# Altium PCB DAW500LCB.PcbDoc (part 1 of 3) (continued)
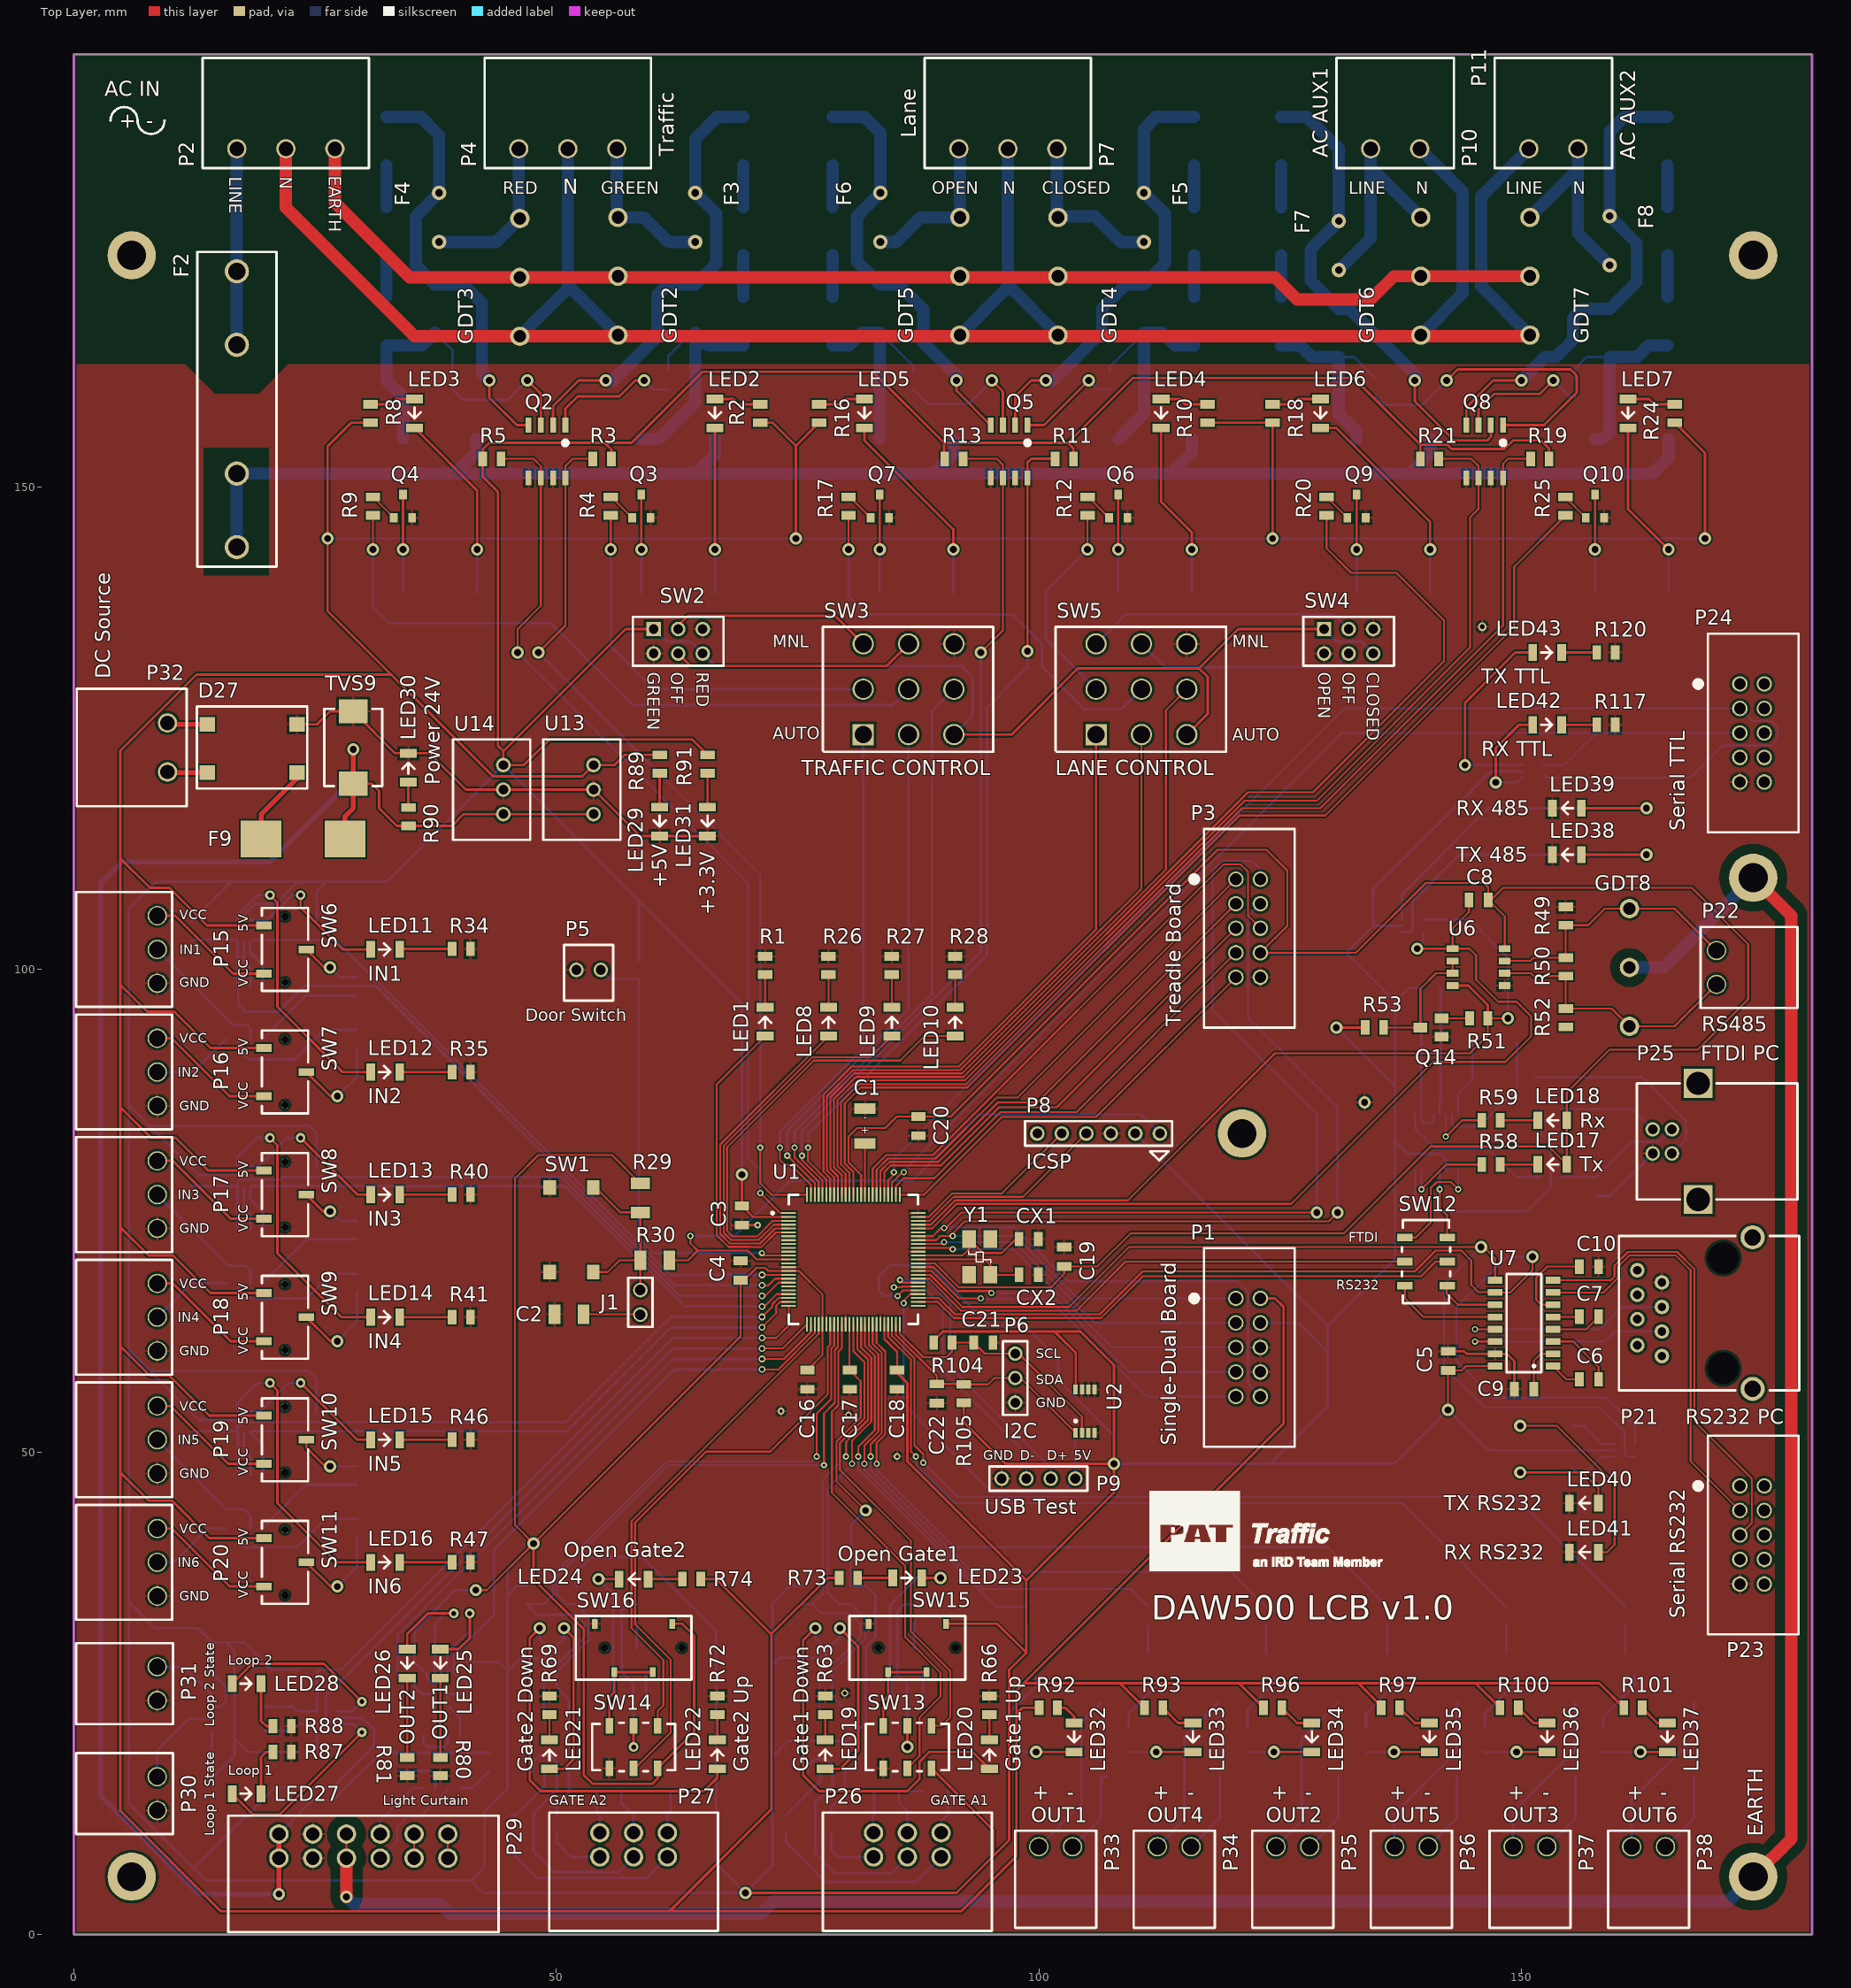
[diagram p0: Top Layer view]
## Components (designator, comment, footprint, x,y, rotation, side; value= is the part's Value field where it differs from the comment) (continued)
LED7 "LedSMD" SMD1206 161.036,157.607 r270 top
LED8 "Error Gate" SMD1206 78.19,94.591 r90 top
LED9 "Error Light" SMD1206 84.751,94.591 r90 top
LED10 "Status Working" SMD1206 91.313,94.591 r90 top
LED11 "IN1" SMD1206 32.27,102.068 r0 top
LED12 "IN2" SMD1206 32.27,89.368 r0 top
LED13 "IN3" SMD1206 32.27,76.668 r0 top
LED14 "IN4" SMD1206 32.27,63.968 r0 top
LED15 "IN5" SMD1206 32.27,51.268 r0 top
LED16 "IN6" SMD1206 32.27,38.568 r0 top
LED17 "Tx" SMD1206 153.176,79.793 r180 top
LED18 "Rx" SMD1206 153.176,84.365 r180 top
LED19 "Gate1 Down" SMD1206 77.851,18.669 r90 top
LED20 "Gate1 Up" SMD1206 94.869,18.669 r90 top
LED21 "Gate2 Down" SMD1206 49.276,18.669 r90 top
LED22 "Gate2 Up" SMD1206 66.675,18.669 r90 top
LED23 "Open Gate1" SMD1206 86.36,36.957 r0 top
LED24 "Open Gate2" SMD1206 58,36.83 r180 top
LED25 "OUT1" SMD1206 37.973,28.067 r270 top
LED26 "OUT2" SMD1206 34.544,28.067 r270 top
LED27 "Loop 1" SMD1206 17.907,14.6 r0 top
LED28 "Loop 2" SMD1206 17.907,26 r0 top
LED29 "+5V" SMD1206 60.706,115.316 r270 top
LED30 "Power 24V" SMD1206 34.671,120.904 r90 top
LED31 "+3.3V" SMD1206 65.659,115.316 r270 top
LED32 "LedSMD" SMD1206 103.632,20.423 r270 top
LED33 "LedSMD" SMD1206 115.951,20.423 r270 top
LED34 "LedSMD" SMD1206 128.27,20.423 r270 top
LED35 "LedSMD" SMD1206 140.462,20.423 r270 top
LED36 "LedSMD" SMD1206 152.654,20.423 r270 top
LED37 "LedSMD" SMD1206 165.1,20.423 r270 top
LED38 "TX 485" SMD1206 154.686,111.887 r180 top
LED39 "RX 485" SMD1206 154.686,116.713 r180 top
LED40 "TX RS232" SMD1206 156.464,44.704 r180 top
LED41 "RX RS232" SMD1206 156.464,39.624 r180 top
LED42 "RX TTL" SMD1206 152.654,125.349 r0 top
LED43 "TX TTL" SMD1206 152.654,132.842 r0 top
P1 "Single-Dual Board" TBBTB2x5 121.666,60.833 r270 top
P2 "AC INPUT" TBHDR3P5.08 21.971,185.039 r0 top
P3 "Treadle Board" TBBTB2x5 121.666,104.267 r270 top
P4 "Traffic" TBHDR3P5.08 51.181,185.039 r0 top
P5 "Door Switch" AMPMALE1x2 53.34,99.949 r0 top
P6 "I2C" MALE3PIN 97.536,57.658 r90 top
P7 "Lane" TBHDR3P5.08 96.774,185.039 r0 top
P8 "ICSP" MALE6PIN 106.172,83 r180 top
P9 "USB Test" MALE4PIN 99.949,47.244 r180 top
P10 "AC AUX1" TBHDR2P5.08 136.906,185.039 r0 top
P11 "AC AUX2" TBHDR2P5.08 153.289,185.039 r0 top
P15 "IN1" TBHDR3P3.5 8.648,102.068 r90 top
P16 "IN2" TBHDR3P3.5 8.648,89.368 r90 top
P17 "IN3" TBHDR3P3.5 8.648,76.668 r90 top
P18 "IN4" TBHDR3P3.5 8.648,63.968 r90 top
P19 "IN5" TBHDR3P3.5 8.648,51.268 r90 top
P20 "IN6" TBHDR3P3.5 8.648,38.568 r90 top
P21 "RS232 PC" RJ45NOLED 161.995,64.389 r90 top
P22 "RS485" TBHDR2P3.5 170.196,100.203 r270 top
P23 "Serial RS232" TBBTB2x5 173.879,41.402 r270 top
P24 "Serial TTL" TBBTB2x5 173.879,124.5 r270 top
P25 "FTDI PC" "USB Type B" 168.291,82.185 r90 top
P26 "GATE A1" TB2x3P3.5 86.36,10.541 r180 top
P27 "GATE A2" TB2x3P3.5 58,10.541 r180 top
P29 "Light Curtain" TB2x6P3.5 30,10.414 r180 top
P30 "Loop 1 State" TBHDR2P3.5 8.636,14.6 r90 top
P31 "Loop 2 State" TBHDR2P3.5 8.636,26 r90 top
P32 "DC Source" TBHDR2P5.08 9.706,123 r90 top
P33 "OUT1" TBHDR2P3.5 101.727,9.1 r180 top
P34 "OUT4" TBHDR2P3.5 114.013,9.1 r180 top
P35 "OUT2" TBHDR2P3.5 126.299,9.1 r180 top
P36 "OUT5" TBHDR2P3.5 138.586,9.1 r180 top
P37 "OUT3" TBHDR2P3.5 150.872,9.1 r180 top
P38 "OUT6" TBHDR2P3.5 163.158,9.1 r180 top
Q1 "BJT" BJT 99.695,27.94 r0 bottom
Q2 "MOCD217" SOIC8 49.022,153.67 r270 top
Q3 "BJT" BJT 58.801,148 r0 top
Q4 "BJT" BJT 34.106,148 r0 top
Q5 "MOCD217" SOIC8 96.901,153.67 r270 top
Q6 "BJT" BJT 108.206,148 r0 top
Q7 "BJT" BJT 83.506,148 r0 top
Q8 "MOCD217" SOIC8 146.177,153.67 r270 top
Q9 "BJT" BJT 132.906,148 r0 top
Q10 "BJT" BJT 157.606,148 r0 top
Q11 "MOCD217" SOIC8 17.665,95.52 r90 bottom
Q12 "MOCD217" SOIC8 17.665,70.247 r90 bottom
Q13 "MOCD217" SOIC8 17.665,44.847 r90 bottom
Q14 "MOSFET" MOSFET 140.605,93.98 r90 top
Q15 "MOCD217" SOIC8 77.978,19.559 r90 bottom
Q16 "MOCD217" SOIC8 49.403,19.558 r90 bottom
Q17 "BJT" BJT 88.011,28.448 r0 bottom
Q18 "BJT" BJT 59.272,28.448 r0 bottom
Q19 "MOCD217" SOIC8 38.1,17.907 r90 bottom
Q20 "MOCD217" SOIC8 17.018,22.987 r0 bottom
Q21 "BJT" BJT 112.268,27.94 r0 bottom
Q22 "BJT" BJT 124.46,27.94 r0 bottom
Q23 "BJT" BJT 137.033,27.94 r0 bottom
Q24 "BJT" BJT 149.352,27.94 r0 bottom
Q25 "BJT" BJT 161.671,27.94 r0 bottom
R1 "240" ResistorSMD0805 71.628,100.41 r270 top
R2 "347" ResistorSMD0805 71.12,157.607 r270 top
R3 "450" ResistorSMD0805 54.737,152.908 r0 top
R4 "2.6k" ResistorSMD0805 55.626,148 r270 top
R5 "450" ResistorSMD0805 43.307,152.908 r180 top
R6 "33" ResistorSMD0805 61.595,161.036 r270 bottom
R7 "33" ResistorSMD0805 39.243,161.036 r270 bottom
R8 "347" ResistorSMD0805 30.734,157.607 r270 top
R9 "2.6k" ResistorSMD0805 30.988,148 r270 top
R10 "347" ResistorSMD0805 117.475,157.607 r270 top
R11 "450" ResistorSMD0805 102.616,152.908 r0 top
R12 "2.6k" ResistorSMD0805 105.029,148 r270 top
R13 "450" ResistorSMD0805 91.186,152.908 r180 top
R14 "33" ResistorSMD0805 107.299,161.036 r270 bottom
R15 "33" ResistorSMD0805 87,161.036 r270 bottom
R16 "347" ResistorSMD0805 77.216,157.607 r270 top
R17 "2.6k" ResistorSMD0805 80.264,148 r270 top
R18 "347" ResistorSMD0805 124.206,157.607 r270 top
R19 "450" ResistorSMD0805 151.892,152.908 r0 top
R20 "2.6k" ResistorSMD0805 129.794,148 r270 top
R21 "450" ResistorSMD0805 140.462,152.908 r180 top
R22 "33" ResistorSMD0805 134.874,160.274 r270 bottom
R23 "33" ResistorSMD0805 155.559,160.274 r270 bottom
R24 "347" ResistorSMD0805 165.862,157.607 r270 top
R25 "2.6k" ResistorSMD0805 154.559,148 r270 top
R26 "240" ResistorSMD0805 78.19,100.41 r270 top
R27 "240" ResistorSMD0805 84.751,100.41 r270 top
R28 "240" ResistorSMD0805 91.313,100.41 r270 top
R29 "10k" ResistorSMD1206 58.698,76.327 r90 top
R30 "470" ResistorSMD1206 60.198,69.85 r0 top
R31 "680" ResistorSMD0805 29.337,98.252 r90 bottom
R32 "680" ResistorSMD0805 25.158,104.029 r270 bottom
R33 "680" ResistorSMD0805 12.204,104.029 r270 bottom
R34 "240" ResistorSMD0805 40.144,102.124 r180 top
R35 "240" ResistorSMD0805 40.144,89.368 r180 top
R36 "680" ResistorSMD0805 29.337,92.787 r270 bottom
R37 "680" ResistorSMD0805 29.337,72.979 r90 bottom
R38 "680" ResistorSMD0805 25.158,78.502 r270 bottom
R39 "680" ResistorSMD0805 12.204,78.502 r270 bottom
R40 "240" ResistorSMD0805 40.144,76.668 r180 top
R41 "240" ResistorSMD0805 40.144,63.968 r180 top
R42 "680" ResistorSMD0805 29.337,67.514 r270 bottom
R43 "680" ResistorSMD0805 29.337,47.579 r90 bottom
R44 "680" ResistorSMD0805 25.158,53.102 r270 bottom
R45 "680" ResistorSMD0805 12.204,53.102 r270 bottom
R46 "240" ResistorSMD0805 40.144,51.268 r180 top
R47 "240" ResistorSMD0805 40.144,38.568 r180 top
R48 "680" ResistorSMD0805 29.337,42.114 r270 bottom
R49 "2.2k" ResistorSMD0805 154.575,105.537 r90 top
R50 "120" ResistorSMD0805 154.575,100.266 r90 top
R51 "10k" ResistorSMD0805 145.558,94.93 r180 top
R52 "2.2k" ResistorSMD0805 154.575,94.996 r90 top
R53 "10k" ResistorSMD0805 134.763,93.98 r0 top
R54 "10k" ResistorSMD0805 150.495,92.329 r180 bottom
R55 "4.7k" ResistorSMD0805 150.509,88.81 r0 bottom
R56 "27" ResistorSMD0805 153.049,78.507 r180 bottom
R57 "27" ResistorSMD0805 153.049,85.524 r180 bottom
R58 "270" ResistorSMD0805 146.826,79.793 r0 top
R59 "270" ResistorSMD0805 146.826,84.365 r0 top
R60 "1k" ResistorSMD0805 144.881,93.446 r270 bottom
R61 "1.5k" ResistorSMD0805 80.518,35.179 r270 bottom
R62 "1.5k" ResistorSMD0805 75.438,35.179 r90 bottom
R63 "240" ResistorSMD0805 77.851,23.749 r90 top
R64 "2.2k" ResistorSMD0805 78.486,11.43 r270 bottom
R65 "2.2k" ResistorSMD0805 73.787,11.43 r270 bottom
R66 "240" ResistorSMD0805 94.869,23.749 r90 top
R67 "1.5k" ResistorSMD0805 52.07,35.179 r270 bottom
R68 "1.5k" ResistorSMD0805 46.863,35.179 r90 bottom
R69 "240" ResistorSMD0805 49.276,23.749 r90 top
R70 "2.2k" ResistorSMD0805 50.038,11.43 r270 bottom
R71 "2.2k" ResistorSMD0805 45.339,11.43 r270 bottom
R72 "240" ResistorSMD0805 66.675,23.749 r90 top
R73 "348" ResistorSMD0805 80.264,36.957 r180 top
R74 "348" ResistorSMD0805 64.008,36.83 r0 top
R75 "2.61k" ResistorSMD0805 87.061,33.274 r270 bottom
R76 "2.61k" ResistorSMD0805 58.322,33.274 r270 bottom
R77 "1.5k" ResistorSMD0805 40.767,27.305 r270 bottom
R78 "1.5k" ResistorSMD0805 35.306,27.305 r270 bottom
R79 "2.2k" ResistorSMD0805 43.053,17.907 r90 bottom
R80 "240" ResistorSMD0805 37.973,17.399 r90 top
R81 "240" ResistorSMD0805 34.544,17.399 r90 top
R82 "2.2k" ResistorSMD0805 33.528,17.907 r90 bottom
R83 "180" ResistorSMD0805 14.286,29.337 r90 bottom
R84 "180" ResistorSMD0805 14.286,17.145 r270 bottom
R85 "450" ResistorSMD0805 24.257,18.923 r180 bottom
R86 "450" ResistorSMD0805 24.257,27.432 r180 bottom
R87 "240" ResistorSMD0805 21.59,18.923 r0 top
R88 "240" ResistorSMD0805 21.59,21.59 r0 top
R89 "600" ResistorSMD0805 60.706,121.285 r90 top
R90 "4.3k" ResistorSMD0805 34.671,115.824 r270 top
R91 "240" ResistorSMD0805 65.659,121.285 r90 top
R92 "158" ResistorSMD0805 100.965,23.495 r180 top
R93 "158" ResistorSMD0805 111.887,23.495 r180 top
R94 "1.3k" ResistorSMD0805 98.745,33.02 r270 bottom
R95 "1.3k" ResistorSMD0805 111.318,33.02 r270 bottom
R96 "158" ResistorSMD0805 124.206,23.495 r180 top
R97 "158" ResistorSMD0805 136.398,23.495 r180 top
R98 "1.3k" ResistorSMD0805 123.51,33.02 r270 bottom
R99 "1.3k" ResistorSMD0805 136.083,33.02 r270 bottom
R100 "158" ResistorSMD0805 148.717,23.495 r180 top
R101 "158" ResistorSMD0805 161.544,23.495 r180 top
R102 "1.3k" ResistorSMD0805 148.402,33.02 r270 bottom
R103 "1.3k" ResistorSMD0805 160.721,33.02 r270 bottom
R104 "4.7k" ResistorSMD0805 90.043,61.341 r180 top
R105 "4.7k" ResistorSMD0805 92.202,56.049 r270 top
R106 "10k" ResistorSMD0805 58.547,99.949 r90 bottom
R115 "270" ResistorSMD0805 159.639,111.887 r0 bottom
R116 "270" ResistorSMD0805 159.639,116.713 r0 bottom
R117 "270" ResistorSMD0805 158.75,125.349 r0 top
R118 "270" ResistorSMD0805 154.305,47.879 r0 bottom
R119 "270" ResistorSMD0805 154.178,52.705 r0 bottom
R120 "270" ResistorSMD0805 158.75,132.842 r180 top
SW1 "Tactile Switch" TactileSwitch 51.562,73.025 r90 top
SW2 "SWTDPDT" SWITCHTOGGLEDPDT 62.617,134 r0 top
SW3 "TRAFFIC CONTROL" SWITCHTOGGLE3PDT 86.487,129.032 r0 top
SW4 "SWTDPDT" SWITCHTOGGLEDPDT 132.08,134 r0 top
SW5 "LANE CONTROL" SWITCHTOGGLE3PDT 110.617,129.032 r0 top
SW6 "SPDT" "SPDT SMD" 21.885,102.068 r270 top
SW7 "SPDT" "SPDT SMD" 21.885,89.368 r270 top
SW8 "SPDT" "SPDT SMD" 21.885,76.668 r270 top
SW9 "SPDT" "SPDT SMD" 21.885,63.968 r270 top
SW10 "SPDT" "SPDT SMD" 21.885,51.268 r270 top
SW11 "SPDT" "SPDT SMD" 21.885,38.568 r270 top
SW12 "DPDT" "DPDT SMD" 140.097,69.723 r90 top
SW13 "DPDT" "DPDT SMD" 86.36,19.431 r180 top
SW14 "DPDT" "DPDT SMD" 58,19.431 r180 top
SW15 "SP3T" "SP3T SMD" 82.36,32 r0 top
SW16 "SP3T" "SP3T SMD" 54,32 r0 top
TVS9 "30VDC" Varistor 28.956,123 r180 top
U1 "PIC24EPXXXGU810" QFP100 80.772,69.953 r0 top
U2 "Sensor Temperature" 8TSSOP 104.775,54.229 r90 top
U3 "Inverter2x2" Inverter2x2 17.625,104.029 r90 bottom
U4 "Inverter2x2" Inverter2x2 17.625,78.502 r90 bottom
U5 "Inverter2x2" Inverter2x2 17.625,53.102 r90 bottom
U6 "MAX348XE" MAX348XE 145.558,100.305 r0 top
U7 "SP3232EBCN" SP3232EBCN 150.255,63.349 r180 top
U8 "FTDI" SSOP16 141.238,82.095 r90 bottom
U9 "Inverter2x2" Inverter2x2 77.938,28.321 r90 bottom
U10 "Inverter2x2" Inverter2x2 49.363,28.321 r90 bottom
U11 "Inverter2x2" Inverter2x2 38.06,26.035 r90 bottom
U12 "Inverter2x2" Inverter2x2 26.289,22.479 r0 bottom
U13 "Regulator 5V" OKI78SR 53.848,118.634 r180 top
U14 "Regulator 3.3V" OKI78SR 44.5,118.634 r180 top
U15 "Inverter2x2" Inverter2x2 138.684,104.521 r180 bottom
U16 "Inverter2x2" Inverter2x2 160.655,50.165 r180 bottom
U17 "Inverter2x2" Inverter2x2 151.13,120.523 r180 bottom
Y1 "24MHz" CRYSTALSMDMini 93.853,70.207 r90 top

## Footprints (in the part's own frame and the unit in brackets; to place one, negate y for a bottom-side part, rotate by r counter-clockwise, add the part's x,y. Pads: shape width x height; smd on the part's side, far side on the other; paste and mask are expansions set on the pad)
8TSSOP [mm] "Sensor Temperature 8TSSOP, 8-MSOP"
  rect 1.016x0.46 smd: 1(-2.25,0.975) 2(-2.25,0.325) 3(-2.25,-0.325) 4(-2.25,-0.975) 5(2.25,-0.975) 6(2.25,-0.325) 7(2.25,0.325) 8(2.25,0.975)
  silkscreen extent -1.14,0.85 -0.89,1.1, body extent -2.45,-1.5 2.45,1.5, height 1.15
AMPMALE1x2 [mm]
  round 1.5 hole 1.02: 1(-1.27,0) 2(1.27,0)
  silkscreen extent -2.54,-3.17 2.54,2.6, body extent -2.52,-3.2 2.6,2.6, height 11.4
BJT [mm]
  rect 0.8x1 smd: 1(0,1.2) 2(0.95,-1.2) 3(-0.95,-1.2)
  body extent -1.5,-1.25 1.5,1.25, height 1.09
Capacitor0805 [mm]
  rect 0.9x1.5 smd: 1(-1,0) 2(1,0)
  body extent -1.02,-0.62 0.98,0.62, height 0.78
Capacitor1206 [mm]
  rect 1.2x2 smd: 1(-1.5,0) 2(1.5,0)
  body extent -1.6,-0.8 1.6,0.8, height 1
CAPACITORT1210 [mm] "Tantalum Capacitor 1210"
  rect 1.1x2.2 smd: 1(-1.8,0) 2(1.8,0)
  body extent -1.87,-1.39 1.82,1.43, height 2.09
CPC1964B [mm] "SSR SPST, 1.5A 0~800V"
  rect 1x2.1 smd: 1(-8.891,-7.95) 2(-3.811,-7.95) 3(3.811,-7.95) 4(8.891,-7.95) 5(8.891,7.95) 6(3.811,7.95) 7(-3.811,7.95) 8(-8.891,7.95)
  silkscreen extent -10.54,-5.08 10.54,5.08, body extent -10.54,-8 10.54,7.83, height 2.3
CRYSTALSMDMini [mm]
  rect 1.8x1.4 smd: 1(-1.85,-1.1) 2(1.85,1.1) ""(-1.85,1.1) ""(1.85,-1.1)
  silkscreen extent -0.63,-1.14 0.63,1.14, body extent -2.5,-1.65 2.5,1.55, height 0.9
"DPDT SMD" [mm]
  rect 0.8x1.6 smd: 1(-2.5,-2.2) 2(0,-2.2) 3(2.5,-2.2) 4(-2.5,2.2) 5(0,2.2) 6(2.5,2.2)
  silkscreen extent -4.3,-2.5 4.3,2.5, body extent -4.25,-2.5 4.25,2.5, height 5.5
FH_25mm [mm] "Para Fuse de 25mm y diam 6mm"
  round 2.5 hole 1.8: 1(0,0) 1(7.62,0) 2(20.96,0) 2(28.58,0)
  silkscreen extent -2,-4.1 30.6,4.1, body extent -0.25,-3.95 29.05,3.95, height 10.89
FUSEBLOCKSMD [mm] "Fuse Block Cartridge SMD"
  rect 4.24x3.81 smd: 1(-4.35,0) 2(4.35,0)
  body extent -4.91,-2.51 4.92,2.52, height 3.81
GDT2026XXC4 [mm]
  round 2 hole 1.3: 1(-6.1,0) 2(0,0) 3(6.1,0)
  body extent -6.6,-4.06 6.6,3.84, height 8.95
Inverter2x2 [mm] "Inversor Lógico 2E2S"
  rect 0.9x0.45 smd: 1(-1.1,0.65) 2(-1.1,0) 3(-1.1,-0.65) 4(1.1,-0.65) 5(1.1,0) 6(1.1,0.65)
  silkscreen extent -0.35,0.54 -0.15,0.73, body extent -1.1,-1 1.1,1, height 1.1
Jumper [mm]
  round 1.5 hole 1.1: 1(-1.27,0) 2(1.27,0)
  silkscreen extent -2.54,-1.27 2.54,1.27, body extent -2.5,-1.27 2.5,1.27, height 9.5
LCC120S [mm] "SSR Relay SPDT Form C, 170mA 0~250V"
  rect 1.65x0.65 smd: 2(-4.7,1.27) 3(-4.7,-1.27) 5(4.7,-3.81) 6(4.7,-1.27) 7(4.7,1.27) 8(4.7,3.81) ""(-4.7,-3.81) ""(-4.7,3.81)
  silkscreen extent -3.18,-4.83 3.18,4.83, body extent -5.15,-4.95 5.15,4.96, height 5.08
MALE3PIN [mm] "Pin Header Male 3 Pins"
  round 1.5 hole 1.02: 1(2.54,0) 2(0,0) 3(-2.54,0)
  silkscreen extent -3.81,-1.27 3.81,1.27, body extent -3.81,-1.24 3.81,1.25, height 8.59
MALE4PIN [mm] "Pin Header Male 1x4 Pitch 2.54mm"
  round 1.5 hole 1.02: 1(-3.81,0) 2(-1.27,0) 3(1.27,0) 4(3.81,0)
  silkscreen extent -5.08,-1.27 5.08,1.27, body extent -5.08,-1.27 5.08,1.27, height 8.49
MALE6PIN [mm]
  round 1.5 hole 1.02: 1(-6.35,0) 2(-3.81,0) 3(-1.27,0) 4(1.27,0) 5(3.81,0) 6(6.35,0)
  silkscreen extent -7.62,-1.27 7.62,1.27, body extent -7.62,-1.24 7.62,1.25, height 8.54
MAX348XE [mm]
  rect 1.2x0.7 smd: 1(-2.7,1.85) 2(-2.7,0.58) 3(-2.7,-0.7) 4(-2.7,-1.98) 5(2.7,-1.98) 6(2.7,-0.7) 7(2.7,0.58) 8(2.7,1.85)
  body extent -2.89,-2.49 2.89,2.41, height 1.45
MOSFET [mm]
  rect 1x1.4 smd: 1(-0.95,-1.1) 2(0.95,-1.1) 3(0,1.1)
  body extent -1.5,-1.25 1.5,1.25, height 1.05
OKI78SR [mm] "Regulator DC-DC 3.3V 1.5A"
  round 1.5 hole 1: 1(0,2.54) 2(0,0) 3(0,-2.54)
  silkscreen extent -2.79,-5.2 5.21,5.2, body extent -2.87,-5.33 5.21,5.07, height 16.5
PTCFUSE2 [mm] "Resettable Fuse Version 2"
  round 1.5 hole 0.8: 1(0,2.54) 2(0,-2.54)
  body extent -2.25,-4 2.25,4, height 11.5
PVDZ172N [mm] "SSR SPST 1.5A 0~60 V"
  rect 0.8x1.78 smd: 2(-1.27,-4.7) 3(1.27,-4.7) 5(3.81,4.7) 8(-3.81,4.7)
  silkscreen extent -4.44,-3.18 4.44,3.18, body extent -4.6,-4.9 4.7,4.9, height 4.2
QFP100 [mm] "Microcontroller 12x12x1mm body, 2mm footprint"
  rect 1.5x0.2 smd: 1(-6.7,4.8) 2(-6.7,4.4) 3(-6.7,4) 4(-6.7,3.6) 5(-6.7,3.2) 6(-6.7,2.8) 7(-6.7,2.4) 8(-6.7,2) 9(-6.7,1.6) 10(-6.7,1.2) 11(-6.7,0.8) 12(-6.7,0.4) 13(-6.7,0) 14(-6.7,-0.4) 15(-6.7,-0.8) 16(-6.7,-1.2) 17(-6.7,-1.6) 18(-6.7,-2) 19(-6.7,-2.4) 20(-6.7,-2.8) 21(-6.7,-3.2) 22(-6.7,-3.6) 23(-6.7,-4) 24(-6.7,-4.4) 25(-6.7,-4.8) 51(6.7,-4.8) 52(6.7,-4.4) 53(6.7,-4) 54(6.7,-3.6) 55(6.7,-3.2) 56(6.7,-2.8) 57(6.7,-2.4) 58(6.7,-2) 59(6.7,-1.6) 60(6.7,-1.2) 61(6.7,-0.8) 62(6.7,-0.4) 63(6.7,0) 64(6.7,0.4) 65(6.7,0.8) 66(6.7,1.2) 67(6.7,1.6) 68(6.7,2) 69(6.7,2.4) 70(6.7,2.8) 71(6.7,3.2) 72(6.7,3.6) 73(6.7,4) 74(6.7,4.4) 75(6.7,4.8)
  rect 0.2x1.5 smd: 26(-4.8,-6.7) 27(-4.4,-6.7) 28(-4,-6.7) 29(-3.6,-6.7) 30(-3.2,-6.7) 31(-2.8,-6.7) 32(-2.4,-6.7) 33(-2,-6.7) 34(-1.6,-6.7) 35(-1.2,-6.7) 36(-0.8,-6.7) 37(-0.4,-6.7) 38(0,-6.7) 39(0.4,-6.7) 40(0.8,-6.7) 41(1.2,-6.7) 42(1.6,-6.7) 43(2,-6.7) 44(2.4,-6.7) 45(2.8,-6.7) 46(3.2,-6.7) 47(3.6,-6.7) 48(4,-6.7) 49(4.4,-6.7) 50(4.8,-6.7) 76(4.8,6.7) 77(4.4,6.7) 78(4,6.7) 79(3.6,6.7) 80(3.2,6.7) 81(2.8,6.7) 82(2.4,6.7) 83(2,6.7) 84(1.6,6.7) 85(1.2,6.7) 86(0.8,6.7) 87(0.4,6.7) 88(0,6.7) 89(-0.4,6.7) 90(-0.8,6.7) 91(-1.2,6.7) 92(-1.6,6.7) 93(-2,6.7) 94(-2.4,6.7) 95(-2.8,6.7) 96(-3.2,6.7) 97(-3.6,6.7) 98(-4,6.7) 99(-4.4,6.7) 100(-4.8,6.7)
  silkscreen extent -8.51,-6.7 6.7,6.7, body extent -7,-7 7,7, height 1.19
ResistorSMD0805 [mm]
  rect 0.9x1.5 smd: 1(-0.95,0) 2(0.95,0)
  body extent -1,-0.63 1,0.63, height 0.43
ResistorSMD1206 [mm]
  rect 1.2x2 smd: 1(-1.5,0) 2(1.5,0)
  body extent -1.67,-0.86 1.68,0.87, height 0.85
RJ45NOLED [mm] "Connector RJ45 without led status"
  round 1.5 hole 0.9: 1(-4.445,-2.54) 2(-3.334,0) 3(-1.905,-2.54) 4(-0.635,0) 5(0.635,-2.54) 6(1.905,0) 7(3.175,-2.54) 8(4.445,0)
  round 2.5 hole 1.7: ""(-7.85,-11.94) ""(7.85,-11.94)
  round 0 hole 3.3: ""(-5.715,-8.89) ""(5.715,-8.89)
  silkscreen extent -8,-16.76 8,1.91, body extent -8,-16.79 8,1.91, height 13.3
SDIP4 [mm]
  rect 1.5x1.6 smd: 1(0,-0.2) 2(5,-0.2) 3(5,9.1) 4(0,9.1)
  silkscreen extent -1.65,-1.27 6.86,10.16, body extent -1.71,-0.64 6.79,9.36, height 3.63
SMA [mm] "Diode SMA"
  rect 2x2 smd: 1(-0.5,0) 2(4.5,0)
  silkscreen extent -2.79,-1.14 -2.16,1.14, body extent -0.71,-1.4 4.78,1.4, height 2.29
SMD1206 [mm]
  rect 0.9x1.75 smd: 1(1.5,0) 2(-1.5,0)
  silkscreen extent -0.64,-0.64 0.51,0.64, body extent -1.65,-0.84 1.55,0.76, height 1.11
SOIC8 [mm]
  rect 1.52x0.61 smd: 1(-2.732,1.905) 2(-2.732,0.635) 3(-2.732,-0.635) 4(-2.732,-1.905) 5(2.732,-1.905) 6(2.732,-0.635) 7(2.732,0.635) 8(2.732,1.905)
  silkscreen extent -1.09,1.71 -0.69,2.1, body extent -3,-2.54 3,2.46, height 3.33
"SP3T SMD" [mm]
  rect 0.6x1 smd: 1(0,0.2) 2(2,-4.8) 3(6,-4.8) 4(8,0.2)
  round 0.8 hole 0.8: ""(1,-2.3) ""(9,-2.3)
  silkscreen extent -2,-5.6 10,1, body extent -2,-4.8 10,0.2, height 5.5
SP3232EBCN [mm]
  rect 1.5x0.7 smd: 1(-3,4.445) 2(-3,3.175) 3(-3,1.905) 4(-3,0.635) 5(-3,-0.635) 6(-3,-1.905) 7(-3,-3.175) 8(-3,-4.445) 9(3,-4.445) 10(3,-3.175) 11(3,-1.905) 12(3,-0.635) 13(3,0.635) 14(3,1.905) 15(3,3.175) 16(3,4.445)
  silkscreen extent -1.8,-5.08 1.8,5.08, body extent -3,-5.1 3,5.1, height 1.7
"SPDT SMD" [mm]
  rect 0.8x1.6 smd: 1(-2.5,-2.2) 2(0,2.2) 3(2.5,-2.2)
  round 0.8 hole 0.8: ""(-3.4,0) ""(3.4,0)
  silkscreen extent -4.3,-2.4 4.3,2.4, body extent -4.25,-2.5 4.25,2.5, height 5.5
SSOP16 [mm]
  rect 0.72x0.508 smd: 1(-2.9,2.2) 2(-2.9,1.55) 3(-2.9,0.91) 4(-2.9,0.28) 5(-2.9,-0.35) 6(-2.9,-0.986) 7(-2.9,-1.62) 8(-2.9,-2.26) 9(2.9,-2.26) 10(2.9,-1.62) 11(2.9,-0.986) 12(2.9,-0.35) 13(2.9,0.28) 14(2.9,0.91) 15(2.9,1.55) 16(2.9,2.2)
  silkscreen extent -2,-2.5 2,2.5, body extent -3,-2.49 3,2.49, height 1.1
SWITCHTOGGLE3PDT [mm] "Toggle Switch 3PDT Miniature"
  rect 2.2x2.2 hole 1.8: 1(-4.7,-4.7)
  round 2.2 hole 1.8: 2(-4.7,0) 3(-4.7,4.7) 4(0,-4.7) 5(0,0) 6(0,4.7) 7(4.7,-4.7) 8(4.7,0) 9(4.7,4.7)
  silkscreen extent -8.89,-6.48 8.76,6.48, body extent -8.75,-6.5 8.75,6.5, height 32.67
SWITCHTOGGLEDPDT [mm] "Switch Toggle DPDT"
  rect 1.5x1.5 hole 1: 1(-2.54,1.27)
  round 1.5 hole 1: 2(0,1.27) 3(2.54,1.27) 4(-2.54,-1.27) 5(0,-1.27) 6(2.54,-1.27)
  silkscreen extent -4.7,-2.54 4.7,2.54, body extent -4.75,-2.5 4.75,2.5, height 16.76
TactileSwitch [mm]
  rect 1.55x1.3 smd: 1(-4.375,2.25) 2(4.375,2.25) 3(-4.375,-2.25) 4(4.375,-2.25)
  body extent -4.5,-3 4.5,3, height 4.3
TB2x3P3.5 [mm] "Terminal Block 2x3 with pitch 3.5mm"
  round 2 hole 1.4: 1(3.5,2.5) 2(3.5,0) 3(0,2.5) 4(0,0) 5(-3.5,2.5) 6(-3.5,0)
  silkscreen extent -8.75,-2.1 8.75,10.16, body extent -8.83,-1.27 8.83,10.33, height 10.9
TB2x6P3.5 [mm] "Terminal Block 2x6 with pitch 3.5mm"
  round 2 hole 1.4: 1(8.75,2.5) 2(8.75,0) 3(5.25,2.5) 4(5.25,0) 5(1.75,2.5) 6(1.75,0) 7(-1.75,2.5) 8(-1.75,0) 9(-5.25,2.5) 10(-5.25,0) 11(-8.75,2.5) 12(-8.75,0)
  silkscreen extent -14,-1.91 14,10.16, body extent -14.08,-1.27 14.08,10.33, height 10.9
TBBTB2x5 [mm] "Board to Board 2x5 Pitch 2.54mm"
  round 1.6 hole 1.2: 1(-5.08,-1.27) 2(-5.08,1.27) 3(-2.54,-1.27) 4(-2.54,1.27) 5(0,-1.27) 6(0,1.27) 7(2.54,-1.27) 8(2.54,1.27) 9(5.08,-1.27) 10(5.08,1.27)
  silkscreen extent -10.29,-5.89 10.29,4.83, body extent -10.15,-4.45 10.15,4.7, height 9
TBHDR2P3.5 [mm] "Connector Green 2 positions with pitch 3.5mm"
  round 2 hole 1.7: 1(-1.75,0) 2(1.75,0)
  silkscreen extent -4.2,-1.65 4.2,8.4, body extent -4.2,-1.78 4.2,8.92, height 7.05
TBHDR2P5.08 [mm] "Connector Green 2 positions with pitch 5.08mm"
  round 2 hole 1.5: 1(2.54,0) 2(-2.54,0)
  silkscreen extent -6.08,-2 6.08,9.4, body extent -6,-2.03 6,9.97, height 8.65
TBHDR3P3.5 [mm] "Connector Green 3 positions with pitch 3.5mm"
  round 2 hole 1.7: 1(-3.5,0) 2(0,0) 3(3.5,0)
  silkscreen extent -5.95,-1.52 5.95,8.4, body extent -5.95,-1.65 5.95,9.05, height 7.1
TBHDR3P5.08 [mm] "Connector Green 3 positions with pitch 5.08mm"
  round 2 hole 1.5: 1(5.08,0) 2(0,0) 3(-5.08,0)
  silkscreen extent -8.62,-2 8.62,9.4, body extent -8.5,-2.03 8.5,9.97, height 8.55
"USB Type B" [mm] "USB Connector B"
  round 1.5 hole 1.02: 1(-1.25,2.71) 2(1.25,2.71) 3(1.25,4.71) 4(-1.25,4.71)
  rect 3x3 hole 2.4: ""(-6.02,0) ""(6.02,0)
  silkscreen extent -6.02,-10.3 6.02,6.35, body extent -7.43,-10.41 7.43,6.59, height 11.1
Varistor [mm] "Package 2-SMD 30V"
  rect 3x2.5 smd: 1(0,3.75) 2(0,-3.75)
  silkscreen extent -3,-4 3,4, body extent -3.2,-4.25 3.2,4.25, height 3.51

## Part data
C1: library part CapacitorTSMD, "Tantalum Capacitor"
C2: library part CapacitorSMD, "0.1uF 1206"
C3 C4 C5 C6 C7 C8 C9 C10 C11 C12 C13 C14 C15 C16 C17 C18 C19 C20 C21 C22 C23 C24 CX1 CX2: library part CapacitorSMD, "Ceramic Capacitor"
D2 D3 D4 D5 D6 D7 D8 D9 D10 D11 D12 D13 D14 D15 D16 D17 D18 D19 D20 D21 D22 D23 D24 D25: "Single Diode Rectifier SMD"
D27: library part D_Rectifier, "Full bridge Rectifier"
F2 F9: "Fuse 6x25mm"
F3 F4 F5 F6 F7 F8: "Resetteable PTC Fuses"
K1 K10 K11 K12 K13 K14: "Relay SSR SPST 1.5A 0~60 V"
K2 K3 K4 K5 K6 K7: "Relay SSR SPST 1.5A 0~800V"
K8 K9: "Relay SSR SPDT"
LED1 LED8 LED9 LED10 LED19 LED20 LED21 LED22 LED23 LED24 LED27 LED28 LED29 LED30 LED31 LED38 LED39 LED40 LED41 LED42 LED43: library part LedSMD, "Discrete Led SMD 1205 Green"
LED2 LED3 LED4 LED5 LED6 LED7 LED32 LED33 LED34 LED35 LED36 LED37: "Discrete Led SMD 1205 Green"
LED11 LED12 LED13 LED14 LED15 LED16 LED17 LED18 LED25 LED26: library part LedSMD, "Discrete Led SMD"
P1 P3 P23 P24: library part TBBTB2x5, "Connector board to board 2 Rows, 5 Columns Pitch 2.54mm"
P2 P4 P7: library part TBHDR3P5.08, "Connector 3 positions with pitch 5.08mm"
P5: library part AMPMale1x2, "Connector Polarized AMP 2.54mm"
P6: library part PHM1x3P2.54, "Pin Header Male 3 Pins Pitch 2.54mm"
P8: library part PHM1x6P2.54, "Pin Header Male 6 Pins Pitch 2.54mm"
P9: library part PHM1x4P2.54, "Pin Header Male 1x4 Pitch 2.54mm"
P10 P11 P32: library part TBHDR2P5.08, "Connector 2 positions with pitch 5.08mm"
P15 P16 P17 P18 P19 P20: library part TBHDR3P3.5, "Connector 3 positions with pitch 3.5mm"
P21: library part RJ45NOLED, "Connector RJ45 Ethernet"
P22 P30 P31 P33 P34 P35 P36 P37 P38: library part TBHDR2P3.5, "Connector 2 positions with pitch 3.5mm"
P25: library part "USB Type A-B", "Connector Type A or B"
P26 P27: library part TB2x3P3.5, "Connector Pitch 3.5mm with 2 rows and 3 columns"
P29: library part TB2x6P3.5, "Connector Pitch 3.5mm with 2 rows and 6 columns"
Q1 Q3 Q4 Q6 Q7 Q9 Q10 Q17 Q18 Q21 Q22 Q23 Q24 Q25: "Transistor BJT"
Q2 Q5 Q8 Q11 Q12 Q13 Q15 Q16 Q19 Q20: "Optocoupler"
Q14: "Transistor FET"
R1 R2 R3 R4 R5 R6 R7 R8 R9 R10 R11 R12 R13 R14 R15 R16 R17 R18 R19 R20 R21 R22 R23 R24 R25 R26 R27 R28 R29 R30 R31 R32 R33 R34 R35 R36 R37 R38 R39 R40 R41 R42 R43 R44 R45 R46 R47 R48 R49 R50 R51 R52 R53 R54 R55 R56 R57 R58 R59 R60 R61 R62 R63 R64 R65 R66 R67 R68 R69 R70 R71 R72 R73 R74 R75 R76 R77 R78 R79 R80 R81 R82 R83 R84 R85 R86 R87 R88 R89 R90 R91 R92 R93 R94 R95 R96 R97 R98 R99 R100 R101 R102 R103 R104 R105 R106 R115 R116 R117 R118 R119 R120: library part ResistorSMD, "Chip Resistor SMD"
SW1: "Switch Contact"
SW2 SW4: "Toggle Switch DPDT Miniature"
SW3 SW5: library part SWT3PDT, "Toggle Switch Miniature 3PDT"
SW6 SW7 SW8 SW9 SW10 SW11: library part SW_SPDT, "200mA 12V"
SW12 SW13 SW14: library part SW_DPDT, "200mA 12V"
SW15 SW16: library part "SW_SP3T SMD", "200mA 12V"
TVS9: library part Varistor, "Varistor SMD"
U1: "Microcontroller MicroChip PIC24EP"
U2: "Sensor I2C Temperature"
U3 U4 U5 U9 U10 U11 U12 U15 U16 U17: "Logic Inverter 2 Circuits"
U7: "Serial Adapter RS232"
U8: library part FT230XS, "FTDI USB Serial Converter"
U13 U14: library part OKI78SR, "Regulator DC-DC 3.3V 1.5A"
Y1: library part Crystal, "Crystal SMD"

## Free pads (board coordinates)
  round 5 hole 3: ""(6,6) ""(6,174) ""(121.04,83) ""(174,6) ""(174,109.5) ""(174,174)

## Via types
v1: diameter 1.27, hole 0.711, Top Layer to Bottom Layer, 78 vias
v2: diameter 0.65, hole 0.35, Top Layer to Bottom Layer, 37 vias
v3: diameter 0.7, hole 0.4, Top Layer to Bottom Layer, 11 vias
v4: diameter 1, hole 0.5, Top Layer to Bottom Layer, 11 vias
v5: diameter 0.7, hole 0.35, Top Layer to Bottom Layer, 2 vias
v6: diameter 0.9, hole 0.5, Top Layer to Bottom Layer, 1 vias
v7: diameter 1.27, hole 0.711, Top Layer to Bottom Layer, tented bottom, 1 vias
v8: diameter 0.65, hole 0.35, Top Layer to Bottom Layer, tented bottom, 1 vias
v9: diameter 0.65, hole 0.3, Top Layer to Bottom Layer, 1 vias

## Nets (pads, with @x,y where several pads share a name; then routed paths per layer and width w, separated by ;. In a path a pad name is that pad's centre, name@x,y a point inside that pad or via, vN(x,y) a via of type N, cw(c..) or ccw(c..) an arc to the next point about the centre after c; other vN are vias at no path point)
1BOTA1: K8.6 K8.7 P26.4 | length 7.2
  Bottom Layer w0.254: P26.4@86.36,10.541 86.36,12.827 85.473,13.714 K8.7@85.473,14.859 K8.6@88.013,14.859
1BOTA2: K9.6 K9.7 P27.4 | length 7.4
  Bottom Layer w0.254: P27.4@58,10.541 58,12.358 56.732,13.626 K9.7@56.732,14.859 K9.6@59.272,14.859
1TOPA1: K8.8 P26.2 | length 4.5
  Bottom Layer w0.254: P26.2@82.933,10.614 P26.2@82.86,10.541 82.804,10.597 82.804,12.319 82.933,12.448 K8.8@82.933,14.859
1TOPA2: K9.8 P27.2 | length 4.4
  Bottom Layer w0.254: K9.8@54.192,14.859 54.192,12.61 54.5,12.302 P27.2@54.5,10.541
2TOPA1: K8.5 P26.6 | length 4.6
  Bottom Layer w0.254: P26.6@89.86,10.541 89.86,11.755 90.553,12.448 K8.5@90.553,14.859
2TOPA2: K9.5 P27.6 | length 4.4
  Bottom Layer w0.254: P27.6@61.5,10.541 61.5,12.224 61.812,12.536 K9.5@61.812,14.859